# KiCad board poly_kb_molecule_4x5.kicad_pcb (continued)
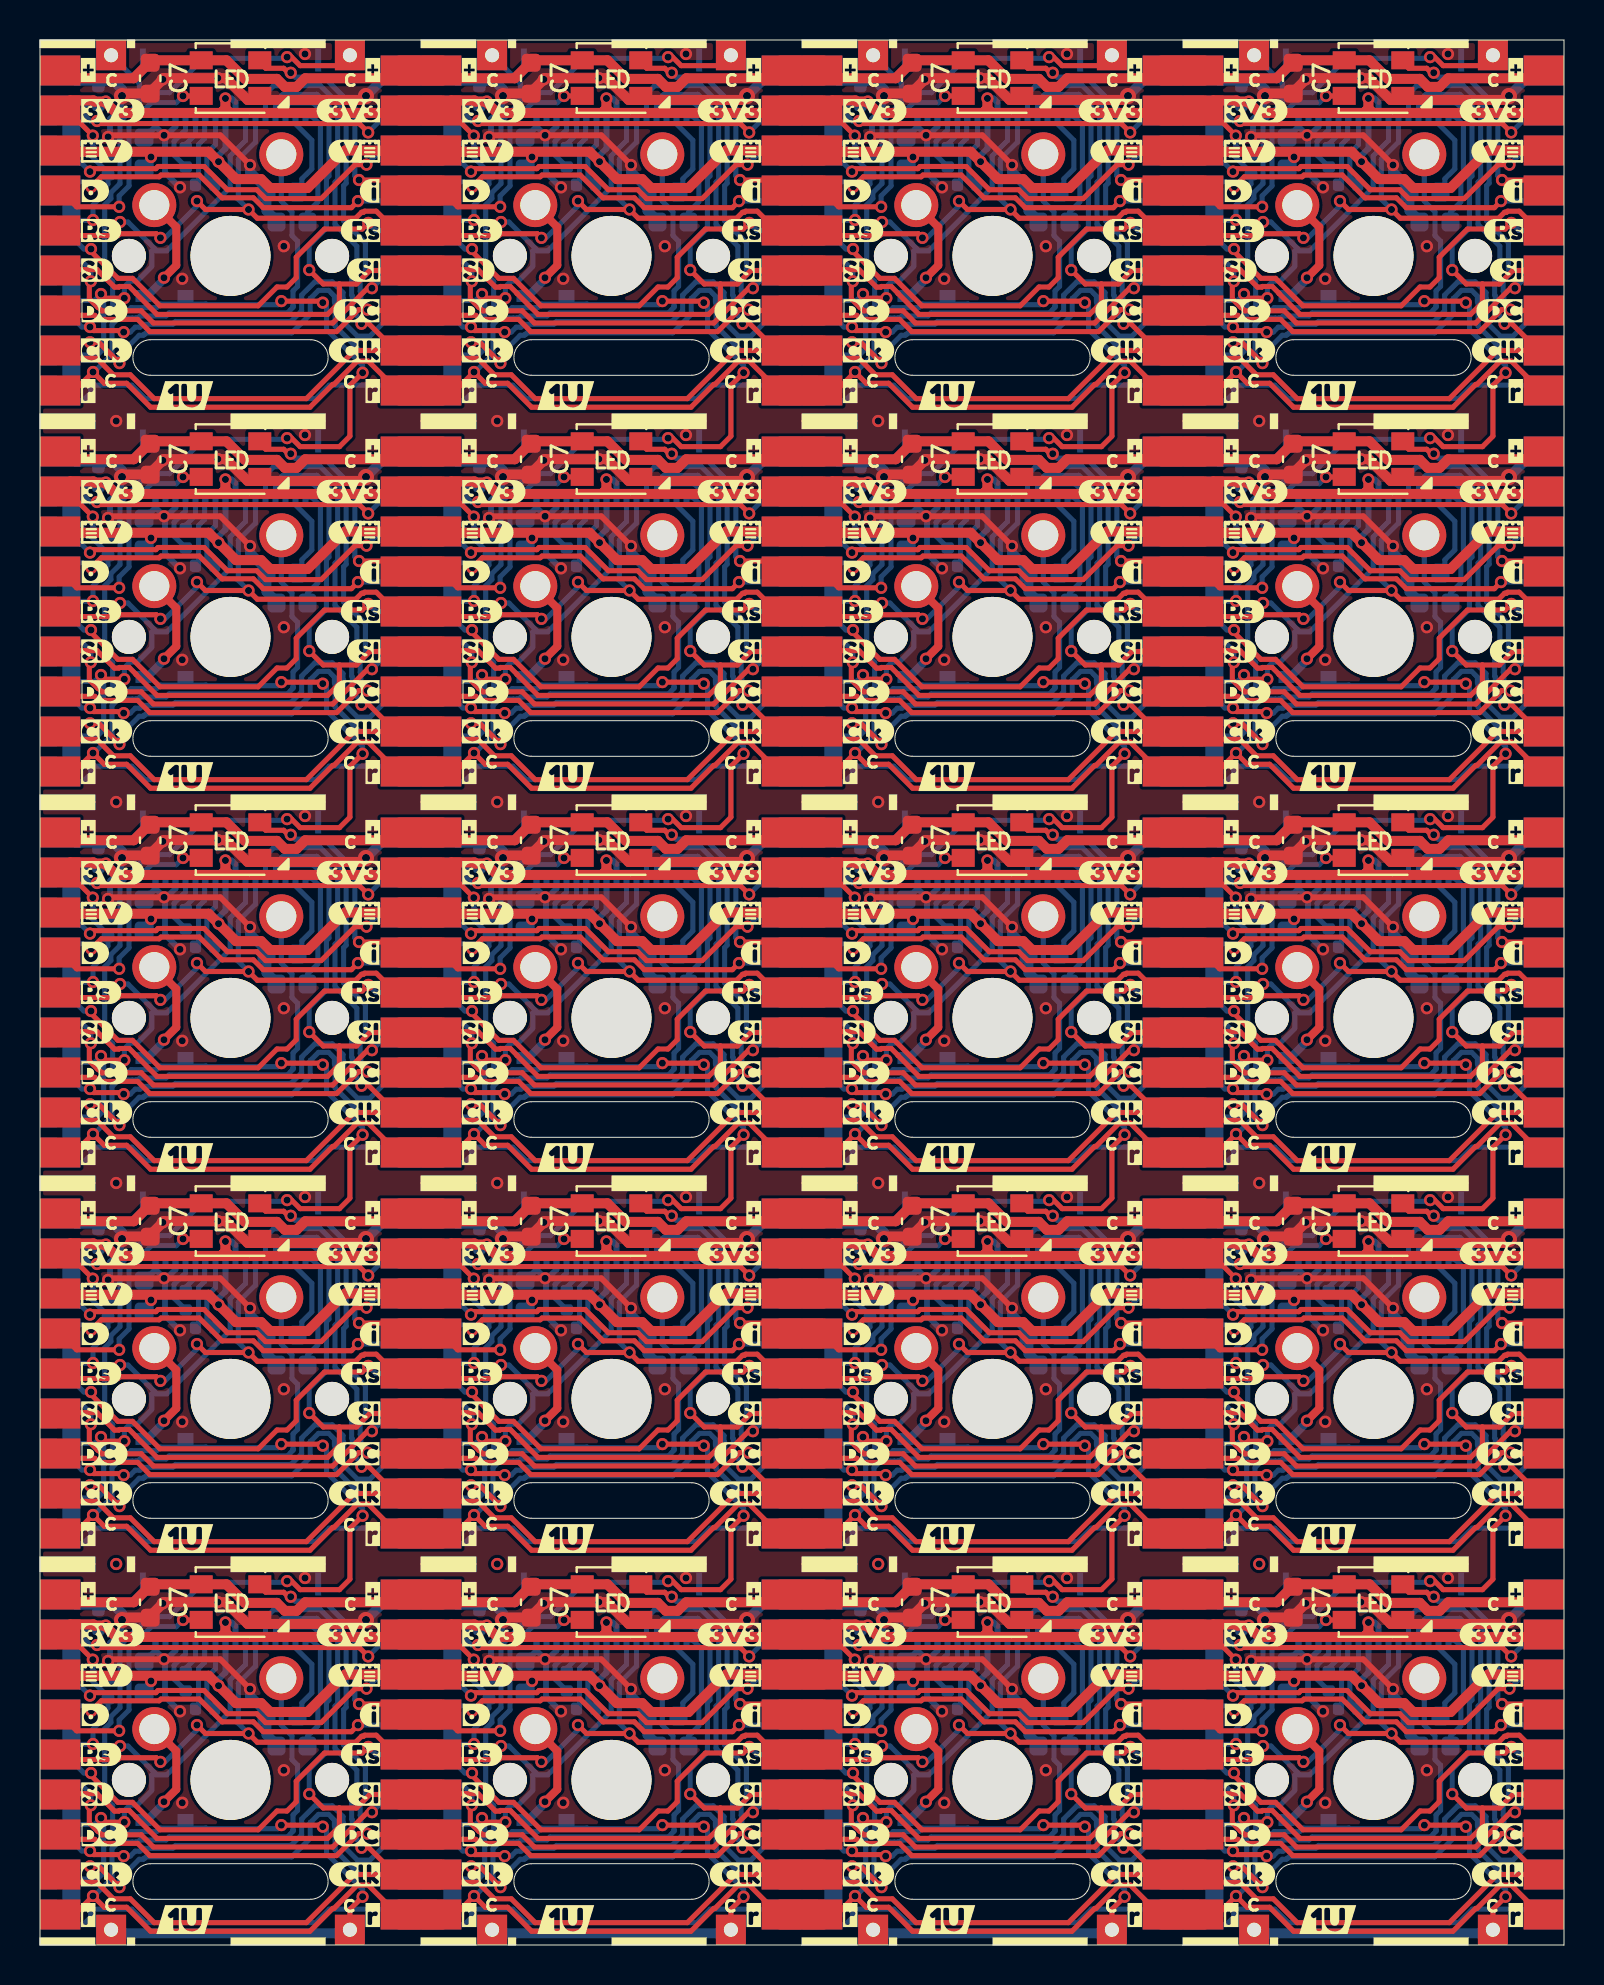
[diagram p0: board, top side]
## Routing (per net, layer and track width the routed paths; a pad name or vN(x,y) marks a point on that pad's centre or on a via; arc(x,y) is an arc through that point) (continued)
  Bottom w1.5: J6#16.5 J5#7.5 ; J6#14.5 J5#6.5 ; J6.5 J5#16.5 ; J6#20.5 J5#10.5 ; J6#2.5 J5#18.5 ; J6#15.5 J5#4.5 ; J6#17.5 J5#19.5 ; J6#11.5 J5#8.5 ; J6#18.5 J5#9.5 ; J6#6.5 J5#15.5 ; J6#3.5 J5#2.5 ; J6#4.5 J5#5.5 ; J6#9.5 J5#14.5 ; J6#10.5 J5#13.5 ; J6#19.5 J5#20.5
CS5: length 437.8
  Top w0.254: v1(40.64,26.03) 40.57,25.96 40.57,25.16 40.98,24.74 41.01,24.74 41.19,24.56 43.16,24.56 43.77,23.95 52.74,23.95 54.48,25.69 v1(54.7,25.69) ; v1(16.6,25.69) 16.38,25.69 14.64,23.95 5.67,23.95 5.06,24.56 3.09,24.56 2.91,24.74 2.88,24.74 2.47,25.16 2.47,25.96 v1(2.54,26.03) ; v1(40.64,64.13) 40.57,64.06 40.57,63.26 40.98,62.84 41.01,62.84 41.19,62.66 43.16,62.66 43.77,62.05 52.74,62.05 54.48,63.79 v1(54.7,63.79) ; v1(21.59,26.03) 21.52,25.96 21.52,25.16 21.93,24.74 21.96,24.74 22.14,24.56 24.11,24.56 24.72,23.95 33.69,23.95 35.43,25.69 v1(35.65,25.69) ; v1(73.75,44.74) 73.53,44.74 71.79,43 62.82,43 62.21,43.61 60.24,43.61 60.06,43.79 60.03,43.79 59.62,44.21 59.62,45.01 v1(59.69,45.08) ; v1(2.54,83.19) 2.47,83.11 2.47,82.31 2.88,81.89 2.91,81.89 3.09,81.71 5.06,81.71 5.67,81.1 14.64,81.1 16.38,82.84 v1(16.6,82.84) ; v1(21.59,83.19) 21.52,83.11 21.52,82.31 21.93,81.89 21.96,81.89 22.14,81.71 24.11,81.71 24.72,81.1 33.69,81.1 35.43,82.84 v1(35.65,82.84) ; v1(59.69,83.19) 59.62,83.11 59.62,82.31 60.03,81.89 60.06,81.89 60.24,81.71 62.21,81.71 62.82,81.1 71.79,81.1 73.53,82.84 v1(73.75,82.84) ; v1(40.64,83.19) 40.57,83.11 40.57,82.31 40.98,81.89 41.01,81.89 41.19,81.71 43.16,81.71 43.77,81.1 52.74,81.1 54.48,82.84 v1(54.7,82.84) ; v1(16.6,6.64) 16.38,6.64 14.64,4.9 5.67,4.9 5.06,5.51 3.09,5.51 2.91,5.69 2.88,5.69 2.47,6.11 2.47,6.91 v1(2.54,6.98) ; v1(59.69,26.03) 59.62,25.96 59.62,25.16 60.03,24.74 60.06,24.74 60.24,24.56 62.21,24.56 62.82,23.95 71.79,23.95 73.53,25.69 v1(73.75,25.69) ; v1(16.6,44.74) 16.38,44.74 14.64,43 5.67,43 5.06,43.61 3.09,43.61 2.91,43.79 2.88,43.79 2.47,44.21 2.47,45.01 v1(2.54,45.08) ; v1(35.65,63.79) 35.43,63.79 33.69,62.05 24.72,62.05 24.11,62.66 22.14,62.66 21.96,62.84 21.93,62.84 21.52,63.26 21.52,64.06 v1(21.59,64.13) ; v1(35.65,6.64) 35.43,6.64 33.69,4.9 24.72,4.9 24.11,5.51 22.14,5.51 21.96,5.69 21.93,5.69 21.52,6.11 21.52,6.91 v1(21.59,6.98) ; v1(35.65,44.74) 35.43,44.74 33.69,43 24.72,43 24.11,43.61 22.14,43.61 21.96,43.79 21.93,43.79 21.52,44.21 21.52,45.01 v1(21.59,45.08) ; v1(59.69,6.98) 59.62,6.91 59.62,6.11 60.03,5.69 60.06,5.69 60.24,5.51 62.21,5.51 62.82,4.9 71.79,4.9 73.53,6.64 v1(73.75,6.64) ; v1(73.75,63.79) 73.53,63.79 71.79,62.05 62.82,62.05 62.21,62.66 60.24,62.66 60.06,62.84 60.03,62.84 59.62,63.26 59.62,64.06 v1(59.69,64.13) ; v1(54.7,6.64) 54.48,6.64 52.74,4.9 43.77,4.9 43.16,5.51 41.19,5.51 41.01,5.69 40.98,5.69 40.57,6.11 40.57,6.91 v1(40.64,6.98) ; v1(2.54,64.13) 2.47,64.06 2.47,63.26 2.88,62.84 2.91,62.84 3.09,62.66 5.06,62.66 5.67,62.05 14.64,62.05 16.38,63.79 v1(16.6,63.79) ; v1(40.64,45.08) 40.57,45.01 40.57,44.21 40.98,43.79 41.01,43.79 41.19,43.61 43.16,43.61 43.77,43 52.74,43 54.48,44.74 v1(54.7,44.74)
  Bottom w0.254: J5#7.6 58.1,65.11 59.28,65.11 59.69,64.7 v1(59.69,64.13) ; v1(35.65,82.84) 36.53,83.72 36.83,83.72 ; v1(40.64,26.03) 40.64,26.6 40.23,27.01 39.05,27.01 J5#20.6 ; J5#11.6 0.95,7.96 2.13,7.96 2.54,7.55 v1(2.54,6.98) ; v1(21.59,45.08) 21.59,45.65 21.18,46.06 20,46.06 J5#5.6 ; v1(59.69,6.98) 59.69,7.55 59.28,7.96 58.1,7.96 J5#6.6 ; v1(16.6,6.64) 17.48,7.53 17.78,7.53 ; J5#15.6 20,27.01 21.18,27.01 21.59,26.6 v1(21.59,26.03) ; v1(40.64,6.98) 40.64,7.55 40.23,7.96 39.05,7.96 J5#19.6 ; v1(21.59,64.13) 21.59,64.7 21.18,65.11 20,65.11 J5#10.6 ; v1(54.7,63.79) 55.58,64.67 55.88,64.67 ; J5#13.6 58.1,84.16 59.28,84.16 59.69,83.75 v1(59.69,83.19) ; v1(73.75,25.69) 74.63,26.58 74.93,26.58 ; J5#4.6 58.1,27.01 59.28,27.01 59.69,26.6 v1(59.69,26.03) ; v1(73.75,82.84) 74.63,83.72 74.93,83.72 ; 55.88,45.62 55.58,45.62 v1(54.7,44.74) ; v1(40.64,64.13) 40.64,64.7 40.23,65.11 39.05,65.11 J5#18.6 ; v1(21.59,6.98) 21.59,7.55 21.18,7.96 20,7.96 J5#9.6 ; 36.83,45.62 36.53,45.62 v1(35.65,44.74) ; 36.83,64.67 36.53,64.67 v1(35.65,63.79) ; 55.88,7.53 55.58,7.53 v1(54.7,6.64) ; J5#14.6 58.1,46.06 59.28,46.06 59.69,45.65 v1(59.69,45.08) ; v1(2.54,45.08) 2.54,45.65 2.13,46.06 0.95,46.06 J5#17.6 ; 55.88,26.58 55.58,26.58 v1(54.7,25.69) ; v1(21.59,83.19) 21.59,83.75 21.18,84.16 20,84.16 J5#16.6 ; 17.78,83.72 17.48,83.72 v1(16.6,82.84) ; v1(40.64,83.19) 40.64,83.75 40.23,84.16 39.05,84.16 J5#2.6 ; v1(40.64,45.08) 40.64,45.65 40.23,46.06 39.05,46.06 J5#8.6 ; 55.88,83.72 55.58,83.72 v1(54.7,82.84) ; v1(16.6,25.69) 17.48,26.58 17.78,26.58 ; v1(2.54,83.19) 2.54,83.75 2.13,84.16 0.95,84.16 J5.6 ; 36.83,7.53 36.53,7.53 v1(35.65,6.64) ; 17.78,45.62 17.48,45.62 v1(16.6,44.74) ; v1(73.75,44.74) 74.63,45.62 74.93,45.62 ; v1(73.75,6.64) 74.63,7.53 74.93,7.53 ; v1(73.75,63.79) 74.63,64.67 74.93,64.67 ; v1(35.65,25.69) 36.53,26.58 36.83,26.58 ; J5#12.6 0.95,65.11 2.13,65.11 2.54,64.7 v1(2.54,64.13) ; v1(16.6,63.79) 17.48,64.67 17.78,64.67 ; v1(2.54,26.03) 2.54,26.6 2.13,27.01 0.95,27.01 J5#3.6
  Bottom w1.5: J6#6.6 J5#15.6 ; J6#15.6 J5#4.6 ; J6.6 J5#16.6 ; J6#18.6 J5#9.6 ; J6#4.6 J5#5.6 ; J6#19.6 J5#20.6 ; J6#14.6 J5#6.6 ; J6#9.6 J5#14.6 ; J6#3.6 J5#2.6 ; J6#2.6 J5#18.6 ; J6#17.6 J5#19.6 ; J6#16.6 J5#7.6 ; J6#10.6 J5#13.6 ; J6#11.6 J5#8.6 ; J6#20.6 J5#10.6
CS6: length 442.4
  Top w0.254: v1(61.33,61.59) 61.26,61.67 59.83,61.67 v1(59.65,61.85) ; v1(23.23,80.64) 23.16,80.72 21.73,80.72 v1(21.55,80.9) ; v1(59.65,80.9) 59.83,80.72 61.26,80.72 v1(61.33,80.64) ; v1(42.28,61.59) 42.21,61.67 40.78,61.67 v1(40.6,61.85) ; v1(21.55,23.75) 21.73,23.57 23.16,23.57 v1(23.23,23.49) ; v1(61.33,42.55) 61.26,42.62 59.83,42.62 v1(59.65,42.8) ; v1(40.6,4.7) 40.78,4.52 42.21,4.52 v1(42.28,4.44) ; v1(2.5,4.7) 2.68,4.52 4.11,4.52 v1(4.18,4.44) ; v1(61.33,23.49) 61.26,23.57 59.83,23.57 v1(59.65,23.75) ; v1(23.23,4.44) 23.16,4.52 21.73,4.52 v1(21.55,4.7) ; v1(2.5,23.75) 2.68,23.57 4.11,23.57 v1(4.18,23.49) ; v1(2.5,61.85) 2.68,61.67 4.11,61.67 v1(4.18,61.59) ; v1(40.6,80.9) 40.78,80.72 42.21,80.72 v1(42.28,80.64) ; v1(4.18,80.64) 4.11,80.72 2.68,80.72 v1(2.5,80.9) ; v1(4.18,42.55) 4.11,42.62 2.68,42.62 v1(2.5,42.8) ; v1(21.55,61.85) 21.73,61.67 23.16,61.67 v1(23.23,61.59) ; v1(61.33,4.44) 61.26,4.52 59.83,4.52 v1(59.65,4.7) ; v1(23.23,42.55) 23.16,42.62 21.73,42.62 v1(21.55,42.8) ; v1(40.6,23.75) 40.78,23.57 42.21,23.57 v1(42.28,23.49) ; v1(42.28,42.55) 42.21,42.62 40.78,42.62 v1(40.6,42.8)
  Bottom w0.254: 36.83,62.67 35.54,61.39 34.92,61.39 34.23,62.08 34.23,63.24 34.2,63.27 34.2,63.57 33.66,64.11 32.8,64.11 32.13,63.44 32.13,62.66 31.6,62.13 25.83,62.13 25.68,61.98 24.21,61.98 24.11,61.89 24.1,61.89 24.05,61.84 23.81,61.84 23.56,61.59 v1(23.23,61.59) ; v1(61.33,42.55) 61.66,42.55 61.91,42.79 62.15,42.79 62.2,42.84 62.21,42.84 62.31,42.93 63.78,42.93 63.93,43.08 69.7,43.08 70.23,43.61 70.23,44.39 70.9,45.06 71.76,45.06 72.3,44.52 72.3,44.22 72.33,44.19 72.33,43.03 73.02,42.34 73.64,42.34 74.93,43.62 ; v1(21.55,42.8) 21.14,42.8 20.32,43.62 ; 36.83,5.53 35.54,4.24 34.92,4.24 34.23,4.93 34.23,6.09 34.2,6.12 34.2,6.42 33.66,6.96 32.8,6.96 32.13,6.29 32.13,5.51 31.6,4.98 25.83,4.98 25.68,4.83 24.21,4.83 24.11,4.74 24.1,4.74 24.05,4.69 23.81,4.69 23.56,4.44 v1(23.23,4.44) ; 17.78,5.53 16.49,4.24 15.87,4.24 15.18,4.93 15.18,6.09 15.15,6.12 15.15,6.42 14.61,6.96 13.75,6.96 13.08,6.29 13.08,5.51 12.55,4.98 6.78,4.98 6.63,4.83 5.16,4.83 5.06,4.74 5.05,4.74 5,4.69 4.76,4.69 4.51,4.44 v1(4.18,4.44) ; v1(21.55,80.9) 21.14,80.9 20.32,81.72 ; v1(40.6,61.85) 40.19,61.85 39.37,62.67 ; 58.42,62.67 59.25,61.85 v1(59.65,61.85) ; 1.27,43.62 2.09,42.8 v1(2.5,42.8) ; 17.78,81.72 16.49,80.44 15.87,80.44 15.18,81.13 15.18,82.29 15.15,82.32 15.15,82.62 14.61,83.16 13.75,83.16 13.08,82.49 13.08,81.71 12.55,81.18 6.78,81.18 6.63,81.03 5.16,81.03 5.06,80.94 5.05,80.94 5,80.89 4.76,80.89 4.51,80.64 v1(4.18,80.64) ; 17.78,62.67 16.49,61.39 15.87,61.39 15.18,62.08 15.18,63.24 15.15,63.27 15.15,63.57 14.61,64.11 13.75,64.11 13.08,63.44 13.08,62.66 12.55,62.13 6.78,62.13 6.63,61.98 5.16,61.98 5.06,61.89 5.05,61.89 5,61.84 4.76,61.84 4.51,61.59 v1(4.18,61.59) ; 39.37,24.58 40.19,23.75 v1(40.6,23.75) ; 55.88,43.62 54.59,42.34 53.97,42.34 53.28,43.03 53.28,44.19 53.25,44.22 53.25,44.52 52.71,45.06 51.85,45.06 51.18,44.39 51.18,43.61 50.65,43.08 44.88,43.08 44.73,42.93 43.26,42.93 43.16,42.84 43.15,42.84 43.1,42.79 42.86,42.79 42.61,42.55 v1(42.28,42.55) ; v1(61.33,61.59) 61.66,61.59 61.91,61.84 62.15,61.84 62.2,61.89 62.21,61.89 62.31,61.98 63.78,61.98 63.93,62.13 69.7,62.13 70.23,62.66 70.23,63.44 70.9,64.11 71.76,64.11 72.3,63.57 72.3,63.27 72.33,63.24 72.33,62.08 73.02,61.39 73.64,61.39 74.93,62.67 ; v1(61.33,4.44) 61.66,4.44 61.91,4.69 62.15,4.69 62.2,4.74 62.21,4.74 62.31,4.83 63.78,4.83 63.93,4.98 69.7,4.98 70.23,5.51 70.23,6.29 70.9,6.96 71.76,6.96 72.3,6.42 72.3,6.12 72.33,6.09 72.33,4.93 73.02,4.24 73.64,4.24 74.93,5.53 ; 20.32,5.53 21.14,4.7 v1(21.55,4.7) ; 74.93,81.72 73.64,80.44 73.02,80.44 72.33,81.13 72.33,82.29 72.3,82.32 72.3,82.62 71.76,83.16 70.9,83.16 70.23,82.49 70.23,81.71 69.7,81.18 63.93,81.18 63.78,81.03 62.31,81.03 62.21,80.94 62.2,80.94 62.15,80.89 61.91,80.89 61.66,80.64 v1(61.33,80.64) ; 74.93,24.58 73.64,23.29 73.02,23.29 72.33,23.98 72.33,25.14 72.3,25.17 72.3,25.47 71.76,26.01 70.9,26.01 70.23,25.34 70.23,24.56 69.7,24.03 63.93,24.03 63.78,23.88 62.31,23.88 62.21,23.79 62.2,23.79 62.15,23.74 61.91,23.74 61.66,23.49 v1(61.33,23.49) ; 55.88,24.58 54.59,23.29 53.97,23.29 53.28,23.98 53.28,25.14 53.25,25.17 53.25,25.47 52.71,26.01 51.85,26.01 51.18,25.34 51.18,24.56 50.65,24.03 44.88,24.03 44.73,23.88 43.26,23.88 43.16,23.79 43.15,23.79 43.1,23.74 42.86,23.74 42.61,23.49 v1(42.28,23.49) ; 1.27,62.67 2.09,61.85 v1(2.5,61.85) ; v1(40.6,42.8) 40.19,42.8 39.37,43.62 ; v1(2.5,80.9) 2.09,80.9 1.27,81.72 ; 58.42,43.62 59.25,42.8 v1(59.65,42.8) ; v1(21.55,61.85) 21.14,61.85 20.32,62.67 ; v1(21.55,23.75) 21.14,23.75 20.32,24.58 ; v1(42.28,80.64) 42.61,80.64 42.86,80.89 43.1,80.89 43.15,80.94 43.16,80.94 43.26,81.03 44.73,81.03 44.88,81.18 50.65,81.18 51.18,81.71 51.18,82.49 51.85,83.16 52.71,83.16 53.25,82.62 53.25,82.32 53.28,82.29 53.28,81.13 53.97,80.44 54.59,80.44 55.88,81.72 ; 55.88,62.67 54.59,61.39 53.97,61.39 53.28,62.08 53.28,63.24 53.25,63.27 53.25,63.57 52.71,64.11 51.85,64.11 51.18,63.44 51.18,62.66 50.65,62.13 44.88,62.13 44.73,61.98 43.26,61.98 43.16,61.89 43.15,61.89 43.1,61.84 42.86,61.84 42.61,61.59 v1(42.28,61.59) ; 36.83,24.58 35.54,23.29 34.92,23.29 34.23,23.98 34.23,25.14 34.2,25.17 34.2,25.47 33.66,26.01 32.8,26.01 32.13,25.34 32.13,24.56 31.6,24.03 25.83,24.03 25.68,23.88 24.21,23.88 24.11,23.79 24.1,23.79 24.05,23.74 23.81,23.74 23.56,23.49 v1(23.23,23.49) ; v1(59.65,4.7) 59.25,4.7 58.42,5.53 ; v1(23.23,80.64) 23.56,80.64 23.81,80.89 24.05,80.89 24.1,80.94 24.11,80.94 24.21,81.03 25.68,81.03 25.83,81.18 31.6,81.18 32.13,81.71 32.13,82.49 32.8,83.16 33.66,83.16 34.2,82.62 34.2,82.32 34.23,82.29 34.23,81.13 34.92,80.44 35.54,80.44 36.83,81.72 ; 39.37,81.72 40.19,80.9 v1(40.6,80.9) ; 17.78,24.58 16.49,23.29 15.87,23.29 15.18,23.98 15.18,25.14 15.15,25.17 15.15,25.47 14.61,26.01 13.75,26.01 13.08,25.34 13.08,24.56 12.55,24.03 6.78,24.03 6.63,23.88 5.16,23.88 5.06,23.79 5.05,23.79 5,23.74 4.76,23.74 4.51,23.49 v1(4.18,23.49) ; v1(23.23,42.55) 23.56,42.55 23.81,42.79 24.05,42.79 24.1,42.84 24.11,42.84 24.21,42.93 25.68,42.93 25.83,43.08 31.6,43.08 32.13,43.61 32.13,44.39 32.8,45.06 33.66,45.06 34.2,44.52 34.2,44.22 34.23,44.19 34.23,43.03 34.92,42.34 35.54,42.34 36.83,43.62 ; 17.78,43.62 16.49,42.34 15.87,42.34 15.18,43.03 15.18,44.19 15.15,44.22 15.15,44.52 14.61,45.06 13.75,45.06 13.08,44.39 13.08,43.61 12.55,43.08 6.78,43.08 6.63,42.93 5.16,42.93 5.06,42.84 5.05,42.84 5,42.79 4.76,42.79 4.51,42.55 v1(4.18,42.55) ; 55.88,5.53 54.59,4.24 53.97,4.24 53.28,4.93 53.28,6.09 53.25,6.12 53.25,6.42 52.71,6.96 51.85,6.96 51.18,6.29 51.18,5.51 50.65,4.98 44.88,4.98 44.73,4.83 43.26,4.83 43.16,4.74 43.15,4.74 43.1,4.69 42.86,4.69 42.61,4.44 v1(42.28,4.44) ; v1(59.65,80.9) 59.25,80.9 58.42,81.72 ; 58.42,24.58 59.25,23.75 v1(59.65,23.75) ; v1(2.5,4.7) 2.09,4.7 1.27,5.53 ; v1(2.5,23.75) 2.09,23.75 1.27,24.58 ; 39.37,5.53 40.19,4.7 v1(40.6,4.7)
  Bottom w1.5: J6#19.7 J5#20.7 ; J6#2.7 J5#18.7 ; J6#16.7 J5#7.7 ; J6#17.7 J5#19.7 ; J6#20.7 J5#10.7 ; J6#14.7 J5#6.7 ; J6#3.7 J5#2.7 ; J6#18.7 J5#9.7 ; J6.7 J5#16.7 ; J6#9.7 J5#14.7 ; J6#11.7 J5#8.7 ; J6#4.7 J5#5.7 ; J6#15.7 J5#4.7 ; J6#6.7 J5#15.7 ; J6#10.7 J5#13.7
CS7: length 471.7
  Top w0.254: v1(2.5,61.09) 2.93,61.09 v1(3.97,60.04) ; v1(3.97,21.94) 2.93,22.99 v1(2.5,22.99) ; v1(40.6,3.94) 41.03,3.94 v1(42.07,2.89) ; v1(23.02,60.04) 21.98,61.09 v1(21.55,61.09) ; v1(61.12,79.09) 60.08,80.14 v1(59.65,80.14) ; v1(40.6,80.14) 41.03,80.14 v1(42.07,79.09) ; v1(59.65,3.94) 60.08,3.94 v1(61.12,2.89) ; v1(42.07,40.99) 41.03,42.04 v1(40.6,42.04) ; v1(23.02,2.89) 21.98,3.94 v1(21.55,3.94) ; v1(21.55,22.99) 21.98,22.99 v1(23.02,21.94) ; v1(23.02,79.09) 21.98,80.14 v1(21.55,80.14) ; v1(42.07,60.04) 41.03,61.09 v1(40.6,61.09) ; v1(3.97,40.99) 2.93,42.04 v1(2.5,42.04) ; v1(3.97,2.89) 2.93,3.94 v1(2.5,3.94) ; v1(59.65,61.09) 60.08,61.09 v1(61.12,60.04) ; v1(61.12,40.99) 60.08,42.04 v1(59.65,42.04) ; v1(21.55,42.04) 21.98,42.04 v1(23.02,40.99) ; v1(61.12,21.94) 60.08,22.99 v1(59.65,22.99) ; v1(40.6,22.99) 41.03,22.99 v1(42.07,21.94) ; v1(3.97,79.09) 2.93,80.14 v1(2.5,80.14)
  Bottom w0.254: v1(42.07,40.99) 42.07,41.25 42.11,41.28 42.11,41.43 43.06,42.39 43.26,42.39 43.31,42.43 43.33,42.43 43.4,42.5 50.68,42.5 51.61,43.43 51.61,44.21 51.63,44.22 51.63,44.23 51.63,44.23 51.63,44.24 52.03,44.63 52.53,44.63 52.82,44.34 52.82,44.04 52.86,44.01 52.86,42.85 54.08,41.62 J6#9.8 ; v1(40.6,22.99) 40.58,23.01 39.05,23.01 J5#20.8 ; v1(40.6,42.04) 40.58,42.06 39.05,42.06 J5#8.8 ; v1(3.97,40.99) 3.97,41.25 4.01,41.28 4.01,41.43 4.96,42.39 5.16,42.39 5.21,42.43 5.23,42.43 5.3,42.5 12.58,42.5 13.51,43.43 13.51,44.21 13.53,44.22 13.53,44.23 13.53,44.23 13.53,44.24 13.93,44.63 14.43,44.63 14.72,44.34 14.72,44.04 14.76,44.01 14.76,42.85 15.98,41.62 J6#4.8 ; v1(23.02,60.04) 23.02,60.3 23.06,60.33 23.06,60.48 24.01,61.44 24.21,61.44 24.26,61.48 24.28,61.48 24.35,61.55 31.63,61.55 32.56,62.48 32.56,63.26 32.58,63.27 32.58,63.28 32.58,63.28 32.58,63.29 32.98,63.68 33.48,63.68 33.77,63.39 33.77,63.09 33.81,63.06 33.81,61.9 35.03,60.67 J6#2.8 ; v1(40.6,3.94) 40.58,3.96 39.05,3.96 J5#19.8 ; v1(61.12,79.09) 61.12,79.35 61.16,79.38 61.16,79.53 62.11,80.49 62.31,80.49 62.36,80.53 62.38,80.53 62.45,80.6 69.73,80.6 70.66,81.53 70.66,82.31 70.68,82.32 70.68,82.33 70.68,82.33 70.68,82.34 71.08,82.73 71.58,82.73 71.87,82.44 71.87,82.14 71.91,82.11 71.91,80.95 73.13,79.72 J6#8.8 ; J5#2.8 39.05,80.16 40.58,80.16 v1(40.6,80.14) ; J5#15.8 20,23.01 21.53,23.01 v1(21.55,22.99) ; J5#13.8 58.1,80.16 59.63,80.16 v1(59.65,80.14) ; J5#10.8 20,61.11 21.53,61.11 v1(21.55,61.09) ; J6#14.8 54.08,3.53 52.86,4.75 52.86,5.91 52.82,5.94 52.82,6.24 52.53,6.53 52.03,6.53 51.63,6.14 51.63,6.13 51.63,6.13 51.63,6.12 51.61,6.11 51.61,5.33 50.68,4.4 43.4,4.4 43.33,4.33 43.31,4.33 43.26,4.29 43.06,4.29 42.11,3.33 42.11,3.18 42.07,3.15 v1(42.07,2.89) ; J5#6.8 58.1,3.96 59.63,3.96 v1(59.65,3.94) ; J6#6.8 15.98,22.57 14.76,23.8 14.76,24.96 14.72,24.99 14.72,25.29 14.43,25.58 13.93,25.58 13.53,25.19 13.53,25.18 13.53,25.18 13.53,25.17 13.51,25.16 13.51,24.38 12.58,23.45 5.3,23.45 5.23,23.38 5.21,23.38 5.16,23.34 4.96,23.34 4.01,22.38 4.01,22.23 3.97,22.2 v1(3.97,21.94) ; J5#17.8 0.95,42.06 2.48,42.06 v1(2.5,42.04) ; v1(59.65,61.09) 59.63,61.11 58.1,61.11 J5#7.8 ; v1(61.12,21.94) 61.12,22.2 61.16,22.23 61.16,22.38 62.11,23.34 62.31,23.34 62.36,23.38 62.38,23.38 62.45,23.45 69.73,23.45 70.66,24.38 70.66,25.16 70.68,25.17 70.68,25.18 70.68,25.18 70.68,25.19 71.08,25.58 71.58,25.58 71.87,25.29 71.87,24.99 71.91,24.96 71.91,23.8 73.13,22.57 J6#7.8 ; J5#16.8 20,80.16 21.53,80.16 v1(21.55,80.14) ; J6#19.8 35.03,22.57 33.81,23.8 33.81,24.96 33.77,24.99 33.77,25.29 33.48,25.58 32.98,25.58 32.58,25.19 32.58,25.18 32.58,25.18 32.58,25.17 32.56,25.16 32.56,24.38 31.63,23.45 24.35,23.45 24.28,23.38 24.26,23.38 24.21,23.34 24.01,23.34 23.06,22.38 23.06,22.23 23.02,22.2 v1(23.02,21.94) ; J5.8 0.95,80.16 2.48,80.16 v1(2.5,80.14) ; J5#14.8 58.1,42.06 59.63,42.06 v1(59.65,42.04) ; v1(61.12,2.89) 61.12,3.15 61.16,3.18 61.16,3.33 62.11,4.29 62.31,4.29 62.36,4.33 62.38,4.33 62.45,4.4 69.73,4.4 70.66,5.33 70.66,6.11 70.68,6.12 70.68,6.13 70.68,6.13 70.68,6.14 71.08,6.53 71.58,6.53 71.87,6.24 71.87,5.94 71.91,5.91 71.91,4.75 73.13,3.53 J6#13.8 ; J5#5.8 20,42.06 21.53,42.06 v1(21.55,42.04) ; J6#3.8 35.03,79.72 33.81,80.95 33.81,82.11 33.77,82.14 33.77,82.44 33.48,82.73 32.98,82.73 32.58,82.34 32.58,82.33 32.58,82.33 32.58,82.32 32.56,82.31 32.56,81.53 31.63,80.6 24.35,80.6 24.28,80.53 24.26,80.53 24.21,80.49 24.01,80.49 23.06,79.53 23.06,79.38 23.02,79.35 v1(23.02,79.09) ; v1(2.5,61.09) 2.48,61.11 0.95,61.11 J5#12.8 ; J6#17.8 35.03,3.53 33.81,4.75 33.81,5.91 33.77,5.94 33.77,6.24 33.48,6.53 32.98,6.53 32.58,6.14 32.58,6.13 32.58,6.13 32.58,6.12 32.56,6.11 32.56,5.33 31.63,4.4 24.35,4.4 24.28,4.33 24.26,4.33 24.21,4.29 24.01,4.29 23.06,3.33 23.06,3.18 23.02,3.15 v1(23.02,2.89) ; J6#10.8 54.08,79.72 52.86,80.95 52.86,82.11 52.82,82.14 52.82,82.44 52.53,82.73 52.03,82.73 51.63,82.34 51.63,82.33 51.63,82.33 51.63,82.32 51.61,82.31 51.61,81.53 50.68,80.6 43.4,80.6 43.33,80.53 43.31,80.53 43.26,80.49 43.06,80.49 42.11,79.53 42.11,79.38 42.07,79.35 v1(42.07,79.09) ; v1(3.97,2.89) 3.97,3.15 4.01,3.18 4.01,3.33 4.96,4.29 5.16,4.29 5.21,4.33 5.23,4.33 5.3,4.4 12.58,4.4 13.51,5.33 13.51,6.11 13.53,6.12 13.53,6.13 13.53,6.13 13.53,6.14 13.93,6.53 14.43,6.53 14.72,6.24 14.72,5.94 14.76,5.91 14.76,4.75 15.98,3.53 J6#18.8 ; v1(42.07,21.94) 42.07,22.2 42.11,22.23 42.11,22.38 43.06,23.34 43.26,23.34 43.31,23.38 43.33,23.38 43.4,23.45 50.68,23.45 51.61,24.38 51.61,25.16 51.63,25.17 51.63,25.18 51.63,25.18 51.63,25.19 52.03,25.58 52.53,25.58 52.82,25.29 52.82,24.99 52.86,24.96 52.86,23.8 54.08,22.57 J6#15.8 ; J6#12.8 73.13,41.62 71.91,42.85 71.91,44.01 71.87,44.04 71.87,44.34 71.58,44.63 71.08,44.63 70.68,44.24 70.68,44.23 70.68,44.23 70.68,44.22 70.66,44.21 70.66,43.43 69.73,42.5 62.45,42.5 62.38,42.43 62.36,42.43 62.31,42.39 62.11,42.39 61.16,41.43 61.16,41.28 61.12,41.25 v1(61.12,40.99) ; v1(2.5,3.94) 2.48,3.96 0.95,3.96 J5#11.8 ; v1(2.5,22.99) 2.48,23.01 0.95,23.01 J5#3.8 ; v1(61.12,60.04) 61.12,60.3 61.16,60.33 61.16,60.48 62.11,61.44 62.31,61.44 62.36,61.48 62.38,61.48 62.45,61.55 69.73,61.55 70.66,62.48 70.66,63.26 70.68,63.27 70.68,63.28 70.68,63.28 70.68,63.29 71.08,63.68 71.58,63.68 71.87,63.39 71.87,63.09 71.91,63.06 71.91,61.9 73.13,60.67 J6#5.8 ; J6#16.8 54.08,60.67 52.86,61.9 52.86,63.06 52.82,63.09 52.82,63.39 52.53,63.68 52.03,63.68 51.63,63.29 51.63,63.28 51.63,63.28 51.63,63.27 51.61,63.26 51.61,62.48 50.68,61.55 43.4,61.55 43.33,61.48 43.31,61.48 43.26,61.44 43.06,61.44 42.11,60.48 42.11,60.33 42.07,60.3 v1(42.07,60.04) ; J5#18.8 39.05,61.11 40.58,61.11 v1(40.6,61.09) ; J5#9.8 20,3.96 21.53,3.96 v1(21.55,3.94) ; J5#4.8 58.1,23.01 59.63,23.01 v1(59.65,22.99) ; v1(3.97,60.04) 3.97,60.3 4.01,60.33 4.01,60.48 4.96,61.44 5.16,61.44 5.21,61.48 5.23,61.48 5.3,61.55 12.58,61.55 13.51,62.48 13.51,63.26 13.53,63.27 13.53,63.28 13.53,63.28 13.53,63.29 13.93,63.68 14.43,63.68 14.72,63.39 14.72,63.09 14.76,63.06 14.76,61.9 15.98,60.67 J6#20.8 ; J6#11.8 35.03,41.62 33.81,42.85 33.81,44.01 33.77,44.04 33.77,44.34 33.48,44.63 32.98,44.63 32.58,44.24 32.58,44.23 32.58,44.23 32.58,44.22 32.56,44.21 32.56,43.43 31.63,42.5 24.35,42.5 24.28,42.43 24.26,42.43 24.21,42.39 24.01,42.39 23.06,41.43 23.06,41.28 23.02,41.25 v1(23.02,40.99) ; v1(3.97,79.09) 3.97,79.35 4.01,79.38 4.01,79.53 4.96,80.49 5.16,80.49 5.21,80.53 5.23,80.53 5.3,80.6 12.58,80.6 13.51,81.53 13.51,82.31 13.53,82.32 13.53,82.33 13.53,82.33 13.53,82.34 13.93,82.73 14.43,82.73 14.72,82.44 14.72,82.14 14.76,82.11 14.76,80.95 15.98,79.72 J6.8
  Bottom w1.5: J6#2.8 J5#18.8 ; J6#11.8 J5#8.8 ; J6#6.8 J5#15.8 ; J6#17.8 J5#19.8 ; J6.8 J5#16.8 ; J6#4.8 J5#5.8 ; J6#15.8 J5#4.8 ; J6#9.8 J5#14.8 ; J6#10.8 J5#13.8 ; J6#16.8 J5#7.8 ; J6#14.8 J5#6.8 ; J6#20.8 J5#10.8 ; J6#19.8 J5#20.8 ; J6#18.8 J5#9.8 ; J6#3.8 J5#2.8
CS8: length 382
  Bottom w0.254: 20.32,77.72 20.83,77.22 21.21,77.22 21.58,77.58 21.58,77.99 23.64,77.99 24.31,77.32 32.84,77.32 33.51,77.99 36.56,77.99 36.83,77.72 ; 74.93,39.62 74.66,39.89 71.61,39.89 70.94,39.22 62.41,39.22 61.74,39.89 59.68,39.89 59.68,39.48 59.31,39.12 58.93,39.12 58.42,39.62 ; 17.78,58.67 17.51,58.94 14.46,58.94 13.79,58.27 5.26,58.27 4.59,58.94 2.53,58.94 2.53,58.53 2.16,58.17 1.78,58.17 1.27,58.67 ; 58.42,77.72 58.93,77.22 59.31,77.22 59.68,77.58 59.68,77.99 61.74,77.99 62.41,77.32 70.94,77.32 71.61,77.99 74.66,77.99 74.93,77.72 ; 55.88,77.72 55.61,77.99 52.56,77.99 51.89,77.32 43.36,77.32 42.69,77.99 40.63,77.99 40.63,77.58 40.26,77.22 39.88,77.22 39.37,77.72 ; 1.27,77.72 1.78,77.22 2.16,77.22 2.53,77.58 2.53,77.99 4.59,77.99 5.26,77.32 13.79,77.32 14.46,77.99 17.51,77.99 17.78,77.72 ; 20.32,39.62 20.83,39.12 21.21,39.12 21.58,39.48 21.58,39.89 23.64,39.89 24.31,39.22 32.84,39.22 33.51,39.89 36.56,39.89 36.83,39.62 ; 74.93,1.53 74.66,1.79 71.61,1.79 70.94,1.12 62.41,1.12 61.74,1.79 59.68,1.79 59.68,1.38 59.31,1.02 58.93,1.02 58.42,1.53 ; 1.27,20.57 1.78,20.07 2.16,20.07 2.53,20.43 2.53,20.84 4.59,20.84 5.26,20.17 13.79,20.17 14.46,20.84 17.51,20.84 17.78,20.57 ; 20.32,58.67 20.83,58.17 21.21,58.17 21.58,58.53 21.58,58.94 23.64,58.94 24.31,58.27 32.84,58.27 33.51,58.94 36.56,58.94 36.83,58.67 ; 58.42,20.57 58.93,20.07 59.31,20.07 59.68,20.43 59.68,20.84 61.74,20.84 62.41,20.17 70.94,20.17 71.61,20.84 74.66,20.84 74.93,20.57 ; 55.88,20.57 55.61,20.84 52.56,20.84 51.89,20.17 43.36,20.17 42.69,20.84 40.63,20.84 40.63,20.43 40.26,20.07 39.88,20.07 39.37,20.57 ; 74.93,58.67 74.66,58.94 71.61,58.94 70.94,58.27 62.41,58.27 61.74,58.94 59.68,58.94 59.68,58.53 59.31,58.17 58.93,58.17 58.42,58.67 ; 17.78,1.53 17.51,1.79 14.46,1.79 13.79,1.12 5.26,1.12 4.59,1.79 2.53,1.79 2.53,1.38 2.16,1.02 1.78,1.02 1.27,1.53 ; 36.83,1.53 36.56,1.79 33.51,1.79 32.84,1.12 24.31,1.12 23.64,1.79 21.58,1.79 21.58,1.38 21.21,1.02 20.83,1.02 20.32,1.53 ; 17.78,39.62 17.51,39.89 14.46,39.89 13.79,39.22 5.26,39.22 4.59,39.89 2.53,39.89 2.53,39.48 2.16,39.12 1.78,39.12 1.27,39.62 ; 39.37,1.53 39.88,1.02 40.26,1.02 40.63,1.38 40.63,1.79 42.69,1.79 43.36,1.12 51.89,1.12 52.56,1.79 55.61,1.79 55.88,1.53 ; 36.83,20.57 36.56,20.84 33.51,20.84 32.84,20.17 24.31,20.17 23.64,20.84 21.58,20.84 21.58,20.43 21.21,20.07 20.83,20.07 20.32,20.57 ; 55.88,58.67 55.61,58.94 52.56,58.94 51.89,58.27 43.36,58.27 42.69,58.94 40.63,58.94 40.63,58.53 40.26,58.17 39.88,58.17 39.37,58.67 ; 39.37,39.62 39.88,39.12 40.26,39.12 40.63,39.48 40.63,39.89 42.69,39.89 43.36,39.22 51.89,39.22 52.56,39.89 55.61,39.89 55.88,39.62
  Bottom w1.5: J5#20.9 J6#19.9 ; J6#6.9 J5#15.9 ; J6#15.9 J5#4.9 ; J6#14.9 J5#6.9 ; J5#19.9 J6#17.9 ; J6#18.9 J5#9.9 ; J5#8.9 J6#11.9 ; J6#20.9 J5#10.9 ; J6#16.9 J5#7.9 ; J6#10.9 J5#13.9 ; J6.9 J5#16.9 ; J6#4.9 J5#5.9 ; J5#18.9 J6#2.9 ; J6#9.9 J5#14.9 ; J5#2.9 J6#3.9
Net-(C1-Pad1): length 121
  Bottom w0.254: C1#7.1 32.42,29.49 32.94,30.01 32.94,31.35 33.07,31.48 33.07,33.86 32.64,34.29 J1#2.16 ; C1#14.1 70.53,86.64 71.04,87.16 71.04,88.5 71.17,88.63 71.17,91.01 70.74,91.44 J1#10.16 ; C1#3.1 32.42,67.59 32.94,68.11 32.94,69.45 33.07,69.58 33.07,71.96 32.64,72.39 J1#16.16 ; C1#16.1 13.38,48.54 13.89,49.06 13.89,50.4 14.02,50.53 14.02,52.91 13.59,53.34 J1#6.16 ; C1#15.1 13.38,29.49 13.89,30.01 13.89,31.35 14.02,31.48 14.02,33.86 13.59,34.29 J1#5.16 ; J1#18.16 51.69,34.29 52.12,33.86 52.12,31.48 51.99,31.35 51.99,30.01 51.47,29.49 C1#2.1 ; J1#12.16 32.64,53.34 33.07,52.91 33.07,50.53 32.94,50.4 32.94,49.06 32.42,48.54 C1#9.1 ; J1#19.16 70.74,53.34 71.17,52.91 71.17,50.53 71.04,50.4 71.04,49.06 70.53,48.54 C1#8.1 ; C1.1 13.38,86.64 13.89,87.16 13.89,88.5 14.02,88.63 14.02,91.01 13.59,91.44 J1.16 ; J1#14.16 51.69,15.24 52.12,14.81 52.12,12.43 51.99,12.3 51.99,10.96 51.47,10.44 C1#10.1 ; C1#4.1 70.53,10.44 71.04,10.96 71.04,12.3 71.17,12.43 71.17,14.81 70.74,15.24 J1#15.16 ; J1#11.16 13.59,15.24 14.02,14.81 14.02,12.43 13.89,12.3 13.89,10.96 13.38,10.44 C1#19.1 ; C1#11.1 32.42,86.64 32.94,87.16 32.94,88.5 33.07,88.63 33.07,91.01 32.64,91.44 J1#13.16 ; C1#18.1 32.42,10.44 32.94,10.96 32.94,12.3 33.07,12.43 33.07,14.81 32.64,15.24 J1#9.16 ; J1#3.16 70.74,34.29 71.17,33.86 71.17,31.48 71.04,31.35 71.04,30.01 70.53,29.49 C1#5.1 ; C1#20.1 51.47,86.64 51.99,87.16 51.99,88.5 52.12,88.63 52.12,91.01 51.69,91.44 J1#7.16 ; C1#6.1 13.38,67.59 13.89,68.11 13.89,69.45 14.02,69.58 14.02,71.96 13.59,72.39 J1#20.16 ; C1#17.1 51.47,67.59 51.99,68.11 51.99,69.45 52.12,69.58 52.12,71.96 51.69,72.39 J1#4.16 ; C1#13.1 51.47,48.54 51.99,49.06 51.99,50.4 52.12,50.53 52.12,52.91 51.69,53.34 J1#8.16 ; J1#17.16 70.74,72.39 71.17,71.96 71.17,69.58 71.04,69.45 71.04,68.11 70.53,67.59 C1#12.1
